# KiCad board artix-dc-scm.kicad_pcb (continued)
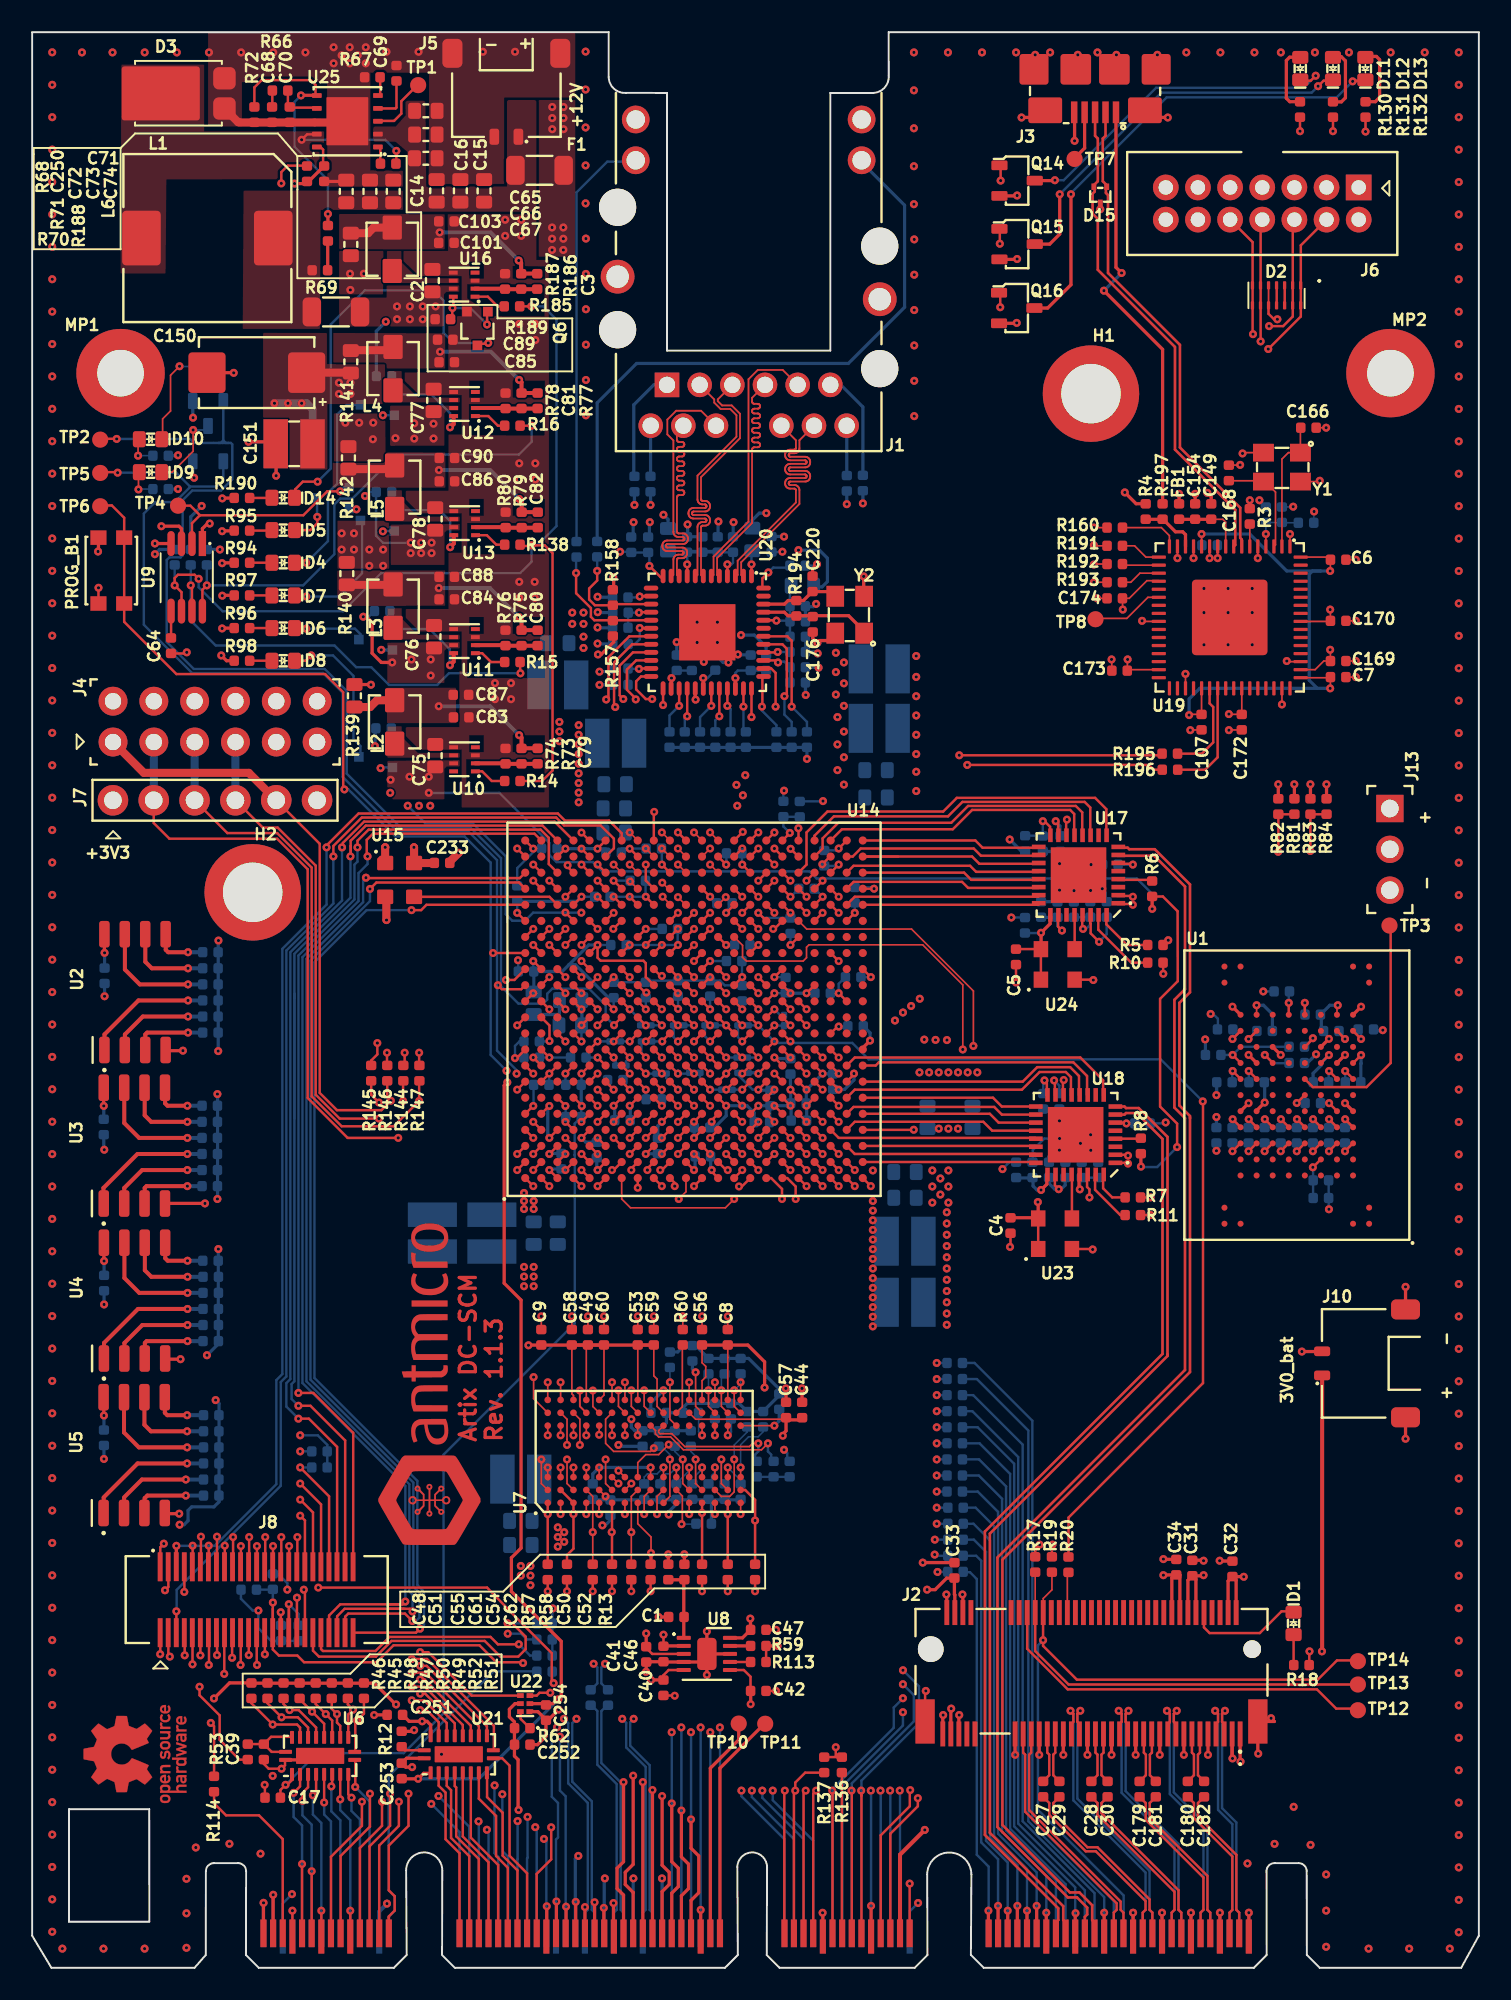
[diagram p0: board, top side]
## Routing (per net, layer and track width the routed paths; a pad name or vN(x,y) marks a point on that pad's centre or on a via; arc(x,y) is an arc through that point) (continued)
/Edge connector/DBP_PREQ_N: length 31.4
  Bottom w0.15: 57.88,30.62 58.89,30.62 60.34,29.18 60.34,8.44 63.09,5.69 63.09,1.96
/Edge connector/HPM_FW_RECOVERY: length 23.5
  Bottom w0.15: 59.51,1.96 59.51,6.3 58.76,7.04 58.76,24.19 58.34,24.61 57.96,24.61
/Edge connector/HPM_STBY_EN: length 26.2
  Bottom w0.15: 57.93,26.64 58.59,26.64 59.34,25.88 59.34,7.91 60.69,6.56 60.69,1.96
/Edge connector/HPM_STBY_RDY: length 24.9
  Bottom w0.15: 57.93,25.64 58.73,25.64 59.04,25.32 59.04,7.81 60.09,6.76 60.09,2.14
/Edge connector/HPM_STBY_RST_N: length 27.4
  Bottom w0.15: 57.93,27.62 58.56,27.62 59.59,26.6 59.59,8.1 61.29,6.4 61.29,1.96
/Edge connector/IRQ_N: length 40
  Bottom w0.15: 67.29,1.96 67.29,4.16 62.22,9.22 62.22,34.03 58.63,37.62 57.88,37.62
/Edge connector/PRSNT0_N: length 12
  Top w0.15: 11.32,10.95 11.32,10.24 12.07,9.49 14.12,9.49 15.59,8.01 15.59,1.96
/Edge connector/RoT_CPU_RST_N: length 36.2
  Bottom w0.15: 65.49,1.96 65.49,4.82 61.34,8.97 61.34,31.78 58.49,34.62 57.88,34.62
/Edge connector/RST_PLTRST_BUF_N: length 33.9
  Bottom w0.15: 57.88,32.62 58.94,32.62 60.84,30.73 60.84,8.65 64.29,5.2 64.29,1.96
/Edge connector/SPARE0: length 38.8
  Bottom w0.15: 57.88,36.62 58.77,36.62 61.97,33.42 61.97,9.12 66.69,4.4 66.69,1.96
/Edge connector/SPARE1: length 35.1
  Bottom w0.15: 64.89,1.96 64.89,5.01 61.09,8.81 61.09,31.36 58.82,33.62 57.88,33.62
/Edge connector/SYS_PWRBTN_N: length 28.8
  Bottom w0.15: 57.93,28.62 58.69,28.62 59.84,27.48 59.84,8.21 61.89,6.16 61.89,1.96
/Edge connector/SYS_PWROK: length 30.1
  Bottom w0.15: 57.88,29.62 58.83,29.62 60.09,28.37 60.09,8.34 62.49,5.94 62.49,1.96
/Edge connector/VIRTUAL_RESEAT: length 22.2
  Bottom w0.15: 31.37,18.44 28.7,18.44 22.18,11.92 22.18,4.83 22.54,4.47 22.54,3.55 22.19,3.19 22.19,3.08 22.19,1.96
/Ethernet/ETH1_N: length 17
  Top w0.11: 43.75,86.5 43.89,86.64 43.89,87.53 47.51,91.15 47.51,91.9 47.51,91.93 47.5,91.95 47.49,91.97 47.47,91.99 47.45,92 47.43,92.01 47.4,92.01 47.15,92.01 47.09,92.02 47.02,92.04 46.96,92.08 46.91,92.13 46.87,92.19 46.85,92.25 46.84,92.32 46.84,92.36 46.85,92.43 46.87,92.5 46.91,92.56 46.96,92.61 47.02,92.64 47.09,92.67 47.15,92.67 48.07,92.67 48.1,92.68 48.12,92.68 48.14,92.7 48.16,92.71 48.17,92.74 48.18,92.76 48.18,92.78 48.18,92.81 48.17,92.83 48.16,92.85 48.14,92.87 48.12,92.88 48.1,92.89 48.07,92.89 47.15,92.89 47.09,92.9 47.02,92.92 46.96,92.96 46.91,93.01 46.87,93.07 46.85,93.13 46.84,93.2 46.84,93.24 46.85,93.31 46.87,93.38 46.91,93.44 46.96,93.49 47.02,93.52 47.09,93.55 47.15,93.55 48.07,93.55 48.1,93.56 48.12,93.56 48.14,93.58 48.16,93.59 48.17,93.62 48.18,93.64 48.18,93.66 48.18,93.69 48.17,93.71 48.16,93.73 48.14,93.75 48.12,93.76 48.1,93.77 48.07,93.77 47.15,93.77 47.09,93.78 47.02,93.8 46.96,93.84 46.91,93.89 46.87,93.95 46.85,94.01 46.84,94.08 46.84,94.12 46.85,94.19 46.87,94.26 46.91,94.32 46.96,94.37 47.02,94.4 47.09,94.43 47.15,94.43 47.4,94.43 47.43,94.44 47.45,94.44 47.47,94.46 47.49,94.47 47.5,94.5 47.51,94.52 47.51,94.54 47.51,95.02 J1.10
/Ethernet/ETH1_P: length 17
  Top w0.11: J1.11 47.73,95.02 47.73,94.52 47.73,94.45 47.7,94.39 47.67,94.33 47.62,94.28 47.56,94.24 47.49,94.22 47.42,94.21 47.17,94.21 47.15,94.21 47.13,94.2 47.1,94.19 47.09,94.17 47.07,94.15 47.07,94.13 47.06,94.1 47.07,94.08 47.07,94.06 47.09,94.03 47.1,94.02 47.13,94 47.15,94 47.17,93.99 48.09,93.99 48.16,93.99 48.23,93.96 48.29,93.93 48.33,93.88 48.37,93.82 48.39,93.75 48.4,93.68 48.4,93.64 48.39,93.57 48.37,93.51 48.33,93.45 48.29,93.4 48.23,93.36 48.16,93.34 48.09,93.33 47.17,93.33 47.15,93.33 47.13,93.32 47.1,93.31 47.09,93.29 47.07,93.27 47.07,93.25 47.06,93.22 47.07,93.2 47.07,93.18 47.09,93.15 47.1,93.14 47.13,93.12 47.15,93.12 47.17,93.11 48.09,93.11 48.16,93.11 48.23,93.08 48.29,93.05 48.33,93 48.37,92.94 48.39,92.87 48.4,92.8 48.4,92.76 48.39,92.69 48.37,92.63 48.33,92.57 48.29,92.52 48.23,92.48 48.16,92.46 48.09,92.45 47.17,92.45 47.15,92.45 47.13,92.44 47.1,92.43 47.09,92.41 47.07,92.39 47.07,92.37 47.06,92.34 47.07,92.32 47.07,92.3 47.09,92.27 47.1,92.26 47.13,92.24 47.15,92.24 47.17,92.23 47.42,92.23 47.49,92.23 47.56,92.2 47.62,92.17 47.67,92.12 47.7,92.06 47.73,91.99 47.73,91.92 47.73,91.06 44.11,87.43 44.11,86.64 44.25,86.5
/Ethernet/ETH2_N: length 17
  Top w0.11: 42.25,86.5 42.39,86.64 42.39,87.79 44.57,89.96 44.57,98.82 45.14,99.4 46.69,99.4 J1.5
/Ethernet/ETH2_P: length 17
  Top w0.11: J1.4 44.79,97.66 44.79,97.44 44.79,97.4 44.8,97.37 44.82,97.34 44.84,97.32 44.87,97.3 44.9,97.29 44.93,97.29 45.13,97.29 45.17,97.28 45.2,97.27 45.23,97.25 45.25,97.23 45.27,97.2 45.28,97.17 45.28,97.14 45.28,97.1 45.27,97.07 45.25,97.04 45.23,97.02 45.2,97 45.17,96.99 45.13,96.99 44.93,96.99 44.9,96.98 44.87,96.97 44.84,96.95 44.82,96.93 44.8,96.9 44.79,96.87 44.79,96.84 44.79,96.8 44.8,96.77 44.82,96.74 44.84,96.72 44.87,96.7 44.9,96.69 44.93,96.69 45.13,96.69 45.17,96.68 45.2,96.67 45.23,96.65 45.25,96.63 45.27,96.6 45.28,96.57 45.28,96.54 45.28,96.5 45.27,96.47 45.25,96.44 45.23,96.42 45.2,96.4 45.17,96.39 45.13,96.39 44.93,96.39 44.9,96.38 44.87,96.37 44.84,96.35 44.82,96.33 44.8,96.3 44.79,96.27 44.79,96.24 44.79,96.2 44.8,96.17 44.82,96.14 44.84,96.12 44.87,96.1 44.9,96.09 44.93,96.09 45.13,96.09 45.17,96.08 45.2,96.07 45.23,96.05 45.25,96.03 45.27,96 45.28,95.97 45.28,95.94 45.28,95.9 45.27,95.87 45.25,95.84 45.23,95.82 45.2,95.8 45.17,95.79 45.13,95.79 44.93,95.79 44.9,95.78 44.87,95.77 44.84,95.75 44.82,95.73 44.8,95.7 44.79,95.67 44.79,95.64 44.79,95.6 44.8,95.57 44.82,95.54 44.84,95.52 44.87,95.5 44.9,95.49 44.93,95.49 45.13,95.49 45.17,95.48 45.2,95.47 45.23,95.45 45.25,95.43 45.27,95.4 45.28,95.37 45.28,95.34 45.28,95.3 45.27,95.27 45.25,95.24 45.23,95.22 45.2,95.2 45.17,95.19 45.13,95.19 44.93,95.19 44.9,95.18 44.87,95.17 44.84,95.15 44.82,95.13 44.8,95.1 44.79,95.07 44.79,95.04 44.79,95 44.8,94.97 44.82,94.94 44.84,94.92 44.87,94.9 44.9,94.89 44.93,94.89 45.13,94.89 45.17,94.88 45.2,94.87 45.23,94.85 45.25,94.83 45.27,94.8 45.28,94.77 45.28,94.74 45.28,94.7 45.27,94.67 45.25,94.64 45.23,94.62 45.2,94.6 45.17,94.59 45.13,94.59 44.93,94.59 44.9,94.58 44.87,94.57 44.84,94.55 44.82,94.53 44.8,94.5 44.79,94.47 44.79,94.44 44.79,89.87 42.61,87.69 42.61,86.64 42.75,86.5
/Ethernet/ETH3_N: length 17
  Top w0.11: 41.25,86.5 41.39,86.64 41.39,89.62 41.4,89.69 41.42,89.75 41.46,89.81 41.51,89.86 41.57,89.9 41.63,89.92 41.7,89.93 41.84,89.93 41.87,89.93 41.89,89.94 41.91,89.95 41.93,89.97 41.94,89.99 41.95,90.02 41.95,90.04 41.95,90.06 41.94,90.09 41.93,90.11 41.91,90.13 41.89,90.14 41.87,90.15 41.84,90.15 41.14,90.15 41.07,90.16 41.01,90.18 40.95,90.22 40.9,90.27 40.86,90.33 40.84,90.39 40.83,90.46 40.83,90.5 40.84,90.57 40.86,90.63 40.9,90.69 40.95,90.74 41.01,90.78 41.07,90.8 41.14,90.81 41.84,90.81 41.87,90.81 41.89,90.82 41.91,90.83 41.93,90.85 41.94,90.87 41.95,90.9 41.95,90.92 41.95,90.94 41.94,90.97 41.93,90.99 41.91,91.01 41.89,91.02 41.87,91.03 41.84,91.03 41.7,91.03 41.63,91.04 41.57,91.06 41.51,91.1 41.46,91.15 41.42,91.21 41.4,91.27 41.39,91.34 41.39,92.82 43.82,95.24 43.82,96.58 43.43,96.97 42.83,96.97 42.43,97.36 42.43,97.56 J1.2
/Ethernet/ETH3_P: length 17
  Top w0.11: 41.75,86.5 41.61,86.64 41.61,89.6 41.61,89.62 41.62,89.65 41.63,89.67 41.65,89.69 41.67,89.7 41.7,89.71 41.72,89.71 41.86,89.71 41.93,89.72 41.99,89.74 42.05,89.78 42.1,89.83 42.14,89.89 42.16,89.95 42.17,90.02 42.17,90.06 42.16,90.13 42.14,90.19 42.1,90.25 42.05,90.3 41.99,90.34 41.93,90.36 41.86,90.37 41.16,90.37 41.13,90.37 41.11,90.38 41.09,90.39 41.07,90.41 41.06,90.43 41.05,90.46 41.05,90.48 41.05,90.5 41.06,90.53 41.07,90.55 41.09,90.57 41.11,90.58 41.13,90.59 41.16,90.59 41.86,90.59 41.93,90.6 41.99,90.62 42.05,90.66 42.1,90.71 42.14,90.77 42.16,90.83 42.17,90.9 42.17,90.94 42.16,91.01 42.14,91.07 42.1,91.13 42.05,91.18 41.99,91.22 41.93,91.24 41.86,91.25 41.72,91.25 41.7,91.25 41.67,91.26 41.65,91.27 41.63,91.29 41.62,91.31 41.61,91.34 41.61,91.36 41.61,92.72 44.04,95.15 44.04,96.67 43.52,97.19 42.92,97.19 42.65,97.45 42.65,97.56 43.56,98.47
/Ethernet/ETH4_N: length 17
  Top w0.11: J1.9 41.61,96.86 40.06,96.86 39.51,96.31 39.51,95.39 39.89,95.01 39.89,89.32 39.9,89.25 39.92,89.18 39.96,89.12 40.01,89.07 40.07,89.04 40.13,89.01 40.2,89.01 40.47,89.01 40.49,89 40.52,88.99 40.54,88.98 40.55,88.96 40.57,88.94 40.58,88.92 40.58,88.9 40.58,88.87 40.57,88.85 40.55,88.83 40.54,88.81 40.52,88.8 40.49,88.79 40.47,88.79 39.51,88.79 39.44,88.78 39.38,88.75 39.32,88.72 39.27,88.67 39.23,88.61 39.21,88.54 39.2,88.47 39.2,88.44 39.21,88.37 39.23,88.3 39.27,88.24 39.32,88.19 39.38,88.16 39.44,88.13 39.51,88.13 40.42,88.13 40.44,88.12 40.47,88.11 40.49,88.1 40.5,88.08 40.52,88.06 40.53,88.04 40.53,88.02 40.53,87.99 40.52,87.97 40.5,87.95 40.49,87.93 40.47,87.92 40.44,87.91 40.42,87.91 40.2,87.91 40.13,87.9 40.07,87.87 40.01,87.84 39.96,87.79 39.92,87.73 39.9,87.66 39.89,87.59 39.89,86.64 39.75,86.5
/Ethernet/ETH4_P: length 17
  Top w0.11: J1.8 40.11,95.52 40.11,95.06 40.11,95.03 40.12,94.99 40.14,94.97 40.17,94.94 40.19,94.92 40.23,94.91 40.26,94.91 40.42,94.91 40.46,94.91 40.49,94.9 40.52,94.88 40.54,94.85 40.56,94.83 40.57,94.79 40.57,94.76 40.57,94.73 40.56,94.69 40.54,94.67 40.52,94.64 40.49,94.62 40.46,94.61 40.42,94.61 40.26,94.61 40.23,94.61 40.19,94.6 40.17,94.58 40.14,94.55 40.12,94.53 40.11,94.49 40.11,94.46 40.11,94.43 40.12,94.39 40.14,94.37 40.17,94.34 40.19,94.32 40.23,94.31 40.26,94.31 40.42,94.31 40.46,94.31 40.49,94.3 40.52,94.28 40.54,94.25 40.56,94.23 40.57,94.19 40.57,94.16 40.57,94.13 40.56,94.09 40.54,94.07 40.52,94.04 40.49,94.02 40.46,94.01 40.42,94.01 40.26,94.01 40.23,94.01 40.19,94 40.17,93.98 40.14,93.95 40.12,93.93 40.11,93.89 40.11,93.86 40.11,93.83 40.12,93.79 40.14,93.77 40.17,93.74 40.19,93.72 40.23,93.71 40.26,93.71 40.42,93.71 40.46,93.71 40.49,93.7 40.52,93.68 40.54,93.65 40.56,93.63 40.57,93.59 40.57,93.56 40.57,93.53 40.56,93.49 40.54,93.47 40.52,93.44 40.49,93.42 40.46,93.41 40.42,93.41 40.26,93.41 40.23,93.41 40.19,93.4 40.17,93.38 40.14,93.35 40.12,93.33 40.11,93.29 40.11,93.26 40.11,93.23 40.12,93.19 40.14,93.17 40.17,93.14 40.19,93.12 40.23,93.11 40.26,93.11 40.42,93.11 40.46,93.11 40.49,93.1 40.52,93.08 40.54,93.05 40.56,93.03 40.57,92.99 40.57,92.96 40.57,92.93 40.56,92.89 40.54,92.87 40.52,92.84 40.49,92.82 40.46,92.81 40.42,92.81 40.26,92.81 40.23,92.81 40.19,92.8 40.17,92.78 40.14,92.75 40.12,92.73 40.11,92.69 40.11,92.66 40.11,92.63 40.12,92.59 40.14,92.57 40.17,92.54 40.19,92.52 40.23,92.51 40.26,92.51 40.42,92.51 40.46,92.51 40.49,92.5 40.52,92.48 40.54,92.45 40.56,92.43 40.57,92.39 40.57,92.36 40.57,92.33 40.56,92.29 40.54,92.27 40.52,92.24 40.49,92.22 40.46,92.21 40.42,92.21 40.26,92.21 40.23,92.21 40.19,92.2 40.17,92.18 40.14,92.15 40.12,92.13 40.11,92.09 40.11,92.06 40.11,92.03 40.12,91.99 40.14,91.97 40.17,91.94 40.19,91.92 40.23,91.91 40.26,91.91 40.42,91.91 40.46,91.91 40.49,91.9 40.52,91.88 40.54,91.85 40.56,91.83 40.57,91.79 40.57,91.76 40.57,91.73 40.56,91.69 40.54,91.67 40.52,91.64 40.49,91.62 40.46,91.61 40.42,91.61 40.26,91.61 40.23,91.61 40.19,91.6 40.17,91.58 40.14,91.55 40.12,91.53 40.11,91.49 40.11,91.46 40.11,89.34 40.11,89.31 40.12,89.29 40.13,89.27 40.15,89.25 40.17,89.24 40.2,89.23 40.22,89.23 40.49,89.23 40.56,89.22 40.62,89.19 40.68,89.16 40.73,89.11 40.77,89.05 40.79,88.98 40.8,88.91 40.8,88.88 40.79,88.81 40.77,88.74 40.73,88.68 40.68,88.63 40.62,88.6 40.56,88.57 40.49,88.57 39.53,88.57 39.51,88.56 39.48,88.55 39.46,88.54 39.45,88.52 39.43,88.5 39.42,88.48 39.42,88.46 39.42,88.43 39.43,88.41 39.45,88.39 39.46,88.37 39.48,88.36 39.51,88.35 39.53,88.35 40.44,88.35 40.51,88.34 40.57,88.31 40.63,88.28 40.68,88.23 40.72,88.17 40.74,88.1 40.75,88.03 40.75,88 40.74,87.93 40.72,87.86 40.68,87.8 40.63,87.75 40.57,87.72 40.51,87.69 40.44,87.69 40.22,87.69 40.2,87.68 40.17,87.67 40.15,87.66 40.13,87.64 40.12,87.62 40.11,87.6 40.11,87.58 40.11,86.64 40.25,86.5
/Ethernet/ETH_LED1: length 8.1
  Top w0.15: 36.12,83.81 36.14,83.83 38.57,83.83 ; v2(33.84,86.76) 33.84,85.51 34.76,84.59 34.76,84.04 34.97,83.83 36.18,83.83
  Bottom w0.15: 33.84,87.76 v2(33.84,86.76)
/Ethernet/ETH_LED2: length 7
  Top w0.15: v2(35.15,86.9) 35.15,86.3 34.65,85.8 34.65,85.12 35.01,84.76 36.15,84.76 ; 38.57,84.83 36.2,84.83 36.12,84.76
  Bottom w0.15: v2(35.15,86.9) 35.15,87.76
/FPGA banks 13-16/GCLK100: length 9.1
  Top w0.15: U15.3 32.18,66.62 U14.C18
/FPGA banks 13-16/PUDC_B: length 2.9
  Top w0.15: v2(47.13,70.6) 47.13,70.59 46.68,70.13
  Bottom w0.15: 47.76,71.59 47.74,71.6 46.73,71.6 46.73,71 v2(47.13,70.6)
/FPGA banks 34-35 & CFG/MODE0: length 41.6
  Top w0.15: 46.68,59.13 v3(47.18,58.63) ; 78.53,71.76 77.53,71.76 77.53,69.43 v2(77.52,69.42)
  In2.Cu w0.15: v2(55.5,57.74) 52.92,57.74 51.53,59.13 47.68,59.13 v3(47.18,58.63)
  In5.Cu w0.15: v2(55.5,57.74) 56.93,59.17 70.06,59.17 77.52,66.63 v2(77.52,69.42)
/FPGA banks 34-35 & CFG/MODE1: length 42.3
  Top w0.15: v2(79.52,69.47) 79.52,71.75 79.53,71.76 80.53,71.76 ; 46.68,58.13 v3(47.18,57.63)
  In2.Cu w0.15: v2(56.2,57.72) 55.73,57.25 50.9,57.25 50.52,57.63 v3(47.18,57.63)
  In5.Cu w0.15: v2(79.52,69.47) 79.52,68.21 70.13,58.82 57.3,58.82 v2(56.2,57.72)
/FPGA banks 34-35 & CFG/MODE2: length 43.7
  Top w0.15: 46.68,57.13 v3(47.18,56.63)
  In2.Cu w0.15: v2(56.91,57.71) 56.12,56.93 50.77,56.93 50.38,57.32 47.87,57.32 v3(47.18,56.63)
  In5.Cu w0.15: v2(56.91,57.71) 57.67,58.47 70.22,58.47 81.37,69.62 84.42,69.62 84.47,69.58
/Interfaces/DBG_USB_D_N: length 30.2
  Top w0.16: 66.78,114.97 66.78,113.96 66.6,113.79 66.6,111.13 66.8,110.94 66.8,110.4 66.93,110.27 66.93,105.43 71.41,100.95 71.41,94.57 75.16,90.82 75.16,88.94 75.25,88.85 75.25,88.41
/Interfaces/DBG_USB_D_P: length 30.5
  Top w0.16: 66.12,114.97 66.12,113.96 66.29,113.79 66.29,111.13 66.1,110.94 66.1,110.49 65.97,110.36 65.97,109.11 66.29,108.79 66.29,105.62 71.09,100.82 71.09,94.44 74.84,90.69 74.84,88.51 74.75,88.41
/Interfaces/FT_VPHY: length 3.5
  Top w0.1: 76.75,88.41 v2(76.75,89.19)
  Bottom w0.1: 78.77,89.89 77.77,89.89 77.75,89.9 76.75,89.9 v2(76.75,89.19)
/Interfaces/FT_VPLL: length 6.1
  Top w0.1: 74.25,88.41 74.25,89.92 74.07,90.1 71.75,90.1
  Top w0.2: 71.35,90.1 73.35,90.1
/Interfaces/PCIE_BMC_TX_C_N: length 41.6
  Top w0.15: U14.A4 v4(31.18,51.63)
  In5.Cu w0.11: 35.67,18.92 35.67,19.37 35.52,19.52 35.53,20.52 34.44,21.61 32.49,21.61 28.84,25.27 28.84,51.15 29.63,51.95 30.85,51.95 v4(31.18,51.63)
  Bottom w0.15: v2(35.64,18.92) 35.41,18.69 35.41,17.7 35.79,17.32
/Interfaces/PCIE_BMC_TX_C_P: length 42.2
  Top w0.15: U14.B4 v4(31.18,52.63)
  In5.Cu w0.11: 34.96,18.92 34.96,19.3 35.21,19.55 35.21,20.39 34.31,21.29 32.32,21.29 28.51,25.09 28.51,51.29 29.51,52.29 30.84,52.29 v4(31.18,52.63)
  Bottom w0.15: v2(34.93,18.92) 35.16,18.69 35.16,17.7 34.79,17.32
/PCIe-connector/NVME_LED: length 7.2
  Top w0.15: 72.9,22.1 72.9,21.18 73.25,20.83 76.38,20.83 77.72,22.18 78.47,22.18
/PCIe-connector/PCIE_HPM_TX0_C_N: length 3.2
  Top w0.15: 63.9,11.6 63.52,11.98 63.52,13.26 63.65,13.39 J2.47
/PCIe-connector/PCIE_HPM_TX0_C_P: length 3.2
  Top w0.15: J2.49 63.15,13.39 63.27,13.26 63.27,11.98 62.9,11.6
/PCIe-connector/PCIE_HPM_TX1_C_N: length 3.2
  Top w0.15: J2.35 66.65,13.39 66.53,13.26 66.53,11.98 66.91,11.6
/PCIe-connector/PCIE_HPM_TX1_C_P: length 3.2
  Top w0.15: 65.9,11.6 66.28,11.98 66.28,13.26 66.15,13.39 J2.37
/PCIe-connector/PCIE_HPM_TX2_C_N: length 3.2
  Top w0.15: 69.66,14.55 69.66,13.39 69.53,13.26 69.53,11.98 69.91,11.6
/PCIe-connector/PCIE_HPM_TX2_C_P: length 3.2
  Top w0.15: 68.91,11.6 69.28,11.98 69.28,13.26 69.16,13.39 69.16,14.55
/PCIe-connector/PCIE_HPM_TX3_C_N: length 3.2
  Top w0.15: 72.65,14.55 72.65,13.39 72.53,13.26 72.53,11.98 72.91,11.6
/PCIe-connector/PCIE_HPM_TX3_C_P: length 3.2
  Top w0.15: 71.9,11.6 72.28,11.98 72.28,13.26 72.15,13.39 72.15,14.55
CHASI#_R: length 20.2
  Top w0.15: 49.68,51.12 v3(50.18,50.62)
  In2.Cu w0.15: v2(56.27,35.62) 54.07,35.62 50.6,39.1 50.6,50.2 v3(50.18,50.62)
  Bottom w0.15: 56.91,35.62 v2(56.27,35.62)
DBG_UART_RX: length 34
  Top w0.15: 43.68,67.13 v4(44.18,66.63) ; 70.29,75.53 70.19,75.43 v2(57.68,75.43)
  In5.Cu w0.15: v2(57.68,75.43) 57.68,69.43 56.27,68.03 47.37,68.03 46.48,67.13 44.68,67.13 v4(44.18,66.63)
DBG_UART_TX: length 32.5
  Top w0.15: 70.3,74.53 69.78,74.53 69.47,74.83 v2(58.18,74.83) ; 44.68,67.13 v4(45.18,66.63)
  In5.Cu w0.15: v2(58.18,74.83) 58.18,69.43 56.48,67.73 47.57,67.73 46.48,66.63 v4(45.18,66.63)
DBP_PRDY_N_R: length 23.5
  Top w0.15: 48.68,50.12 v3(49.18,49.62)
  In2.Cu w0.15: v3(49.18,49.62) 48.75,49.2 48.75,39.05 53.07,34.73 53.07,33.27 54.71,31.62 v2(56.27,31.62)
  Bottom w0.15: 56.91,31.62 v2(56.27,31.62)
DBP_PREQ_N_R: length 24.7
  Top w0.15: 47.68,50.12 v3(48.18,49.62)
  In2.Cu w0.15: v2(56.27,30.62) 54.57,30.62 52.77,32.43 52.77,34.53 48.43,38.87 48.43,49.37 v3(48.18,49.62)
  Bottom w0.15: 56.91,30.62 v2(56.27,30.62)
DDR3_A0: length 23.7
  Top w0.1: 41.68,30.53 v2(41.68,31.12)
  Top w0.15: 41.68,50.12 v3(41.18,50.62)
  In2.Cu w0.1: v3(41.18,50.62) 41.68,50.12 41.68,47.42 41.67,47.4 41.67,47.38 41.65,47.36 41.64,47.35 41.62,47.34 41.6,47.33 41.56,47.32 41.53,47.32 41.52,47.31 41.5,47.29 41.49,47.27 41.48,47.25 41.48,47.23 41.48,47.22 41.48,47.2 41.49,47.18 41.5,47.16 41.52,47.15 41.53,47.14 41.56,47.13 41.58,47.13 41.68,47.13 41.68,47.12 41.75,47.12 41.76,47.12 41.78,47.12 41.79,47.11 41.81,47.1 41.81,47.08 41.82,47.07 41.82,47.05 41.82,47 41.82,46.98 41.81,46.97 41.81,46.95 41.79,46.94 41.78,46.93 41.76,46.93 41.75,46.92 41.58,46.92 41.56,46.92 41.53,46.92 41.52,46.9 41.5,46.89 41.49,46.87 41.48,46.85 41.48,46.83 41.48,46.82 41.48,46.8 41.49,46.78 41.5,46.76 41.52,46.75 41.53,46.73 41.56,46.73 41.58,46.72 41.75,46.72 41.76,46.72 41.78,46.72 41.79,46.71 41.81,46.7 41.81,46.68 41.82,46.67 41.82,46.65 41.82,46.6 41.82,46.58 41.81,46.57 41.81,46.55 41.79,46.54 41.78,46.53 41.76,46.53 41.73,46.52 41.72,46.52 41.7,46.51 41.69,46.5 41.68,46.48 41.68,46.47 41.68,46.45 41.68,36.85 41.08,36.25 41.08,32.84 41.68,32.24 v2(41.68,31.12)
  Bottom w0.1: 41.27,30.11 41.27,30.62 41.68,31.03 v2(41.68,31.12)
DDR3_A1: length 23.6
  Top w0.1: U7.P7 v2(42.48,33.12)
  Top w0.15: 41.68,53.13 v4(41.18,52.63)
  In5.Cu w0.1: v2(42.48,33.12) 41.63,33.97 41.63,36.8 41.68,36.85 41.68,50.53 41.67,50.55 41.66,50.58 41.65,50.6 41.63,50.62 41.6,50.64 41.58,50.65 41.55,50.65 41.15,50.65 41.12,50.65 41.1,50.66 41.07,50.68 41.05,50.7 41.04,50.72 41.03,50.75 41.02,50.78 41.03,50.8 41.04,50.83 41.05,50.85 41.07,50.87 41.1,50.89 41.12,50.9 41.15,50.9 41.55,50.9 41.58,50.9 41.6,50.91 41.63,50.93 41.65,50.95 41.66,50.97 41.67,51 41.68,51.03 41.68,51.17 41.67,51.19 41.67,51.2 41.66,51.21 41.66,51.21 41.65,51.22 41.64,51.22 41.61,51.23 41.6,51.23 41.59,51.24 41.59,51.24 41.58,51.25 41.58,51.26 41.57,51.28 41.57,51.42 41.58,51.44 41.58,51.45 41.59,51.46 41.59,51.46 41.6,51.47 41.61,51.47 41.64,51.48 41.65,51.48 41.66,51.49 41.66,51.49 41.67,51.5 41.67,51.51 41.68,51.53 41.68,52.12 v4(41.18,52.63)
  Bottom w0.15: 42.48,34.14 v2(42.48,33.12)
DDR3_A2: length 23.6
  Top w0.1: U7.P3 v2(42.48,31.12)
  Top w0.15: 41.68,51.12 v3(42.18,50.62)
  In2.Cu w0.1: v2(42.48,31.12) 42.48,31.73 41.28,32.92 41.28,36.13 42.07,36.92 42.07,47.58 42.07,47.6 42.07,47.61 42.06,47.62 42.05,47.63 42.04,47.64 42.02,47.65 41.99,47.65 41.97,47.66 41.96,47.67 41.95,47.68 41.94,47.69 41.94,47.7 41.94,47.72 41.94,47.78 41.94,47.8 41.94,47.81 41.95,47.82 41.96,47.83 41.97,47.84 41.99,47.85 42.01,47.85 42.17,47.85 42.19,47.85 42.21,47.86 42.23,47.87 42.24,47.89 42.26,47.9 42.26,47.92 42.26,47.94 42.26,47.96 42.26,47.98 42.26,48 42.24,48.01 42.23,48.03 42.21,48.04 42.19,48.05 42.17,48.05 42.07,48.05 42.07,48.06 42.01,48.06 41.99,48.06 41.97,48.06 41.96,48.07 41.95,48.08 41.94,48.09 41.94,48.11 41.94,48.12 41.94,48.19 41.94,48.2 41.94,48.22 41.95,48.23 41.96,48.24 41.97,48.25 41.99,48.25 42.02,48.26 42.04,48.26 42.05,48.27 42.06,48.28 42.07,48.29 42.07,48.31 42.07,48.33 42.07,48.93 41.88,49.12 41.88,50.33 v3(42.18,50.62)
  Bottom w0.1: v2(42.48,31.12) 42.48,30.83 42.27,30.62 42.27,30.11
DDR3_A3: length 24.9
  Top w0.1: 41.68,29.73 41.27,30.12 v2(41.27,31.62)
  Top w0.15: 41.68,49.12 v3(41.18,48.62)
  In2.Cu w0.1: v3(41.18,48.62) 41.18,48.27 41.27,48.17 41.27,40.53 41.27,40.5 41.27,40.48 41.25,40.46 41.24,40.45 41.22,40.43 41.2,40.43 41.18,40.43 41.04,40.43 41.02,40.42 41,40.42 40.98,40.4 40.96,40.39 40.95,40.37 40.94,40.35 40.94,40.33 40.94,40.3 40.95,40.28 40.96,40.26 40.98,40.25 41,40.23 41.02,40.23 41.04,40.23 41.37,40.23 41.39,40.22 41.41,40.22 41.42,40.21 41.44,40.19 41.45,40.17 41.46,40.15 41.46,40.13 41.46,40.12 41.46,40.1 41.45,40.08 41.44,40.06 41.42,40.04 41.41,40.03 41.39,40.03 41.37,40.03 41.04,40.03 41.02,40.02 41,40.02 40.98,40 40.96,39.99 40.95,39.97 40.94,39.95 40.94,39.93 40.94,39.9 40.95,39.88 40.96,39.86 40.98,39.85 41,39.83 41.02,39.83 41.04,39.83 41.37,39.83 41.39,39.82 41.41,39.82 41.42,39.81 41.44,39.79 41.45,39.77 41.46,39.75 41.46,39.73 41.46,39.72 41.46,39.7 41.45,39.68 41.44,39.66 41.42,39.64 41.41,39.63 41.39,39.63 41.37,39.62 41.04,39.62 41.02,39.62 41,39.62 40.98,39.6 40.96,39.59 40.95,39.57 40.94,39.55 40.94,39.53 40.94,39.5 40.95,39.48 40.96,39.46 40.98,39.45 41,39.43 41.02,39.43 41.04,39.43 41.37,39.43 41.39,39.42 41.41,39.42 41.42,39.41 41.44,39.39 41.45,39.37 41.46,39.35 41.46,39.33 41.46,39.32 41.46,39.3 41.45,39.28 41.44,39.26 41.42,39.24 41.41,39.23 41.39,39.23 41.37,39.23 41.04,39.23 41.02,39.22 41,39.22 40.98,39.2 40.96,39.19 40.95,39.17 40.94,39.15 40.94,39.12 40.94,39.1 40.95,39.08 40.96,39.06 40.98,39.05 41,39.03 41.02,39.03 41.04,39.03 41.37,39.03 41.39,39.02 41.41,39.02 41.42,39.01 41.44,38.99 41.45,38.97 41.46,38.95 41.46,38.93 41.46,38.92 41.46,38.9 41.45,38.88 41.44,38.86 41.42,38.84 41.41,38.83 41.39,38.83 41.37,38.83 41.04,38.83 41.02,38.82 41,38.82 40.98,38.8 40.96,38.79 40.95,38.77 40.94,38.75 40.94,38.73 40.94,38.7 40.95,38.68 40.96,38.66 40.98,38.65 41,38.63 41.02,38.63 41.04,38.62 41.18,38.62 41.2,38.62 41.22,38.62 41.24,38.6 41.25,38.59 41.27,38.57 41.27,38.55 41.27,38.53 41.27,37.73 40.88,37.33 40.88,32.22 41.27,31.83 41.27,31.73
  Bottom w0.1: v2(41.27,31.62) 41.27,31.83 40.98,32.12 40.98,32.44
DDR3_A4: length 24.6
  Top w0.1: v2(42.07,35.93) 42.07,34.93 U7.P8
  Top w0.15: U14.L6 v4(41.18,53.63)
  In5.Cu w0.1: v4(41.18,53.63) 41.18,53.27 41.88,52.57 41.88,48.82 42.07,48.62 42.07,48.53 42.07,48.51 42.07,48.5 42.06,48.49 42.05,48.48 42.04,48.47 42.03,48.47 42.01,48.47 41.99,48.46 41.98,48.46 41.97,48.45 41.97,48.44 41.96,48.42 41.96,48.41 41.96,48.33 41.96,48.31 41.97,48.3 41.97,48.29 41.98,48.28 41.99,48.27 42.01,48.27 42.02,48.27 42.07,48.27 42.07,48.25 42.34,48.25 42.36,48.25 42.38,48.24 42.4,48.23 42.42,48.21 42.43,48.19 42.44,48.17 42.44,48.15 42.44,48.13 42.43,48.11 42.42,48.09 42.4,48.07 42.38,48.06 42.36,48.05 42.34,48.05 42.02,48.05 42.01,48.05 41.99,48.04 41.98,48.04 41.97,48.03 41.97,48.02 41.96,48.01 41.96,47.99 41.96,47.91 41.96,47.89 41.97,47.88 41.97,47.87 41.98,47.86 41.99,47.86 42.01,47.85 42.02,47.85 42.34,47.85 42.36,47.85 42.38,47.84 42.4,47.83 42.42,47.81 42.43,47.79 42.44,47.77 42.44,47.75 42.44,47.73 42.43,47.71 42.42,47.69 42.4,47.67 42.38,47.66 42.36,47.65 42.34,47.65 42.02,47.65 42.01,47.65 41.99,47.64 41.98,47.64 41.97,47.63 41.97,47.62 41.96,47.61 41.96,47.59 41.96,47.51 41.96,47.49 41.97,47.48 41.97,47.47 41.98,47.46 41.99,47.46 42.01,47.45 42.02,47.45 42.34,47.45 42.36,47.45 42.38,47.44 42.4,47.43 42.42,47.41 42.43,47.39 42.44,47.37 42.44,47.35 42.44,47.33 42.43,47.31 42.42,47.29 42.4,47.27 42.38,47.26 42.36,47.25 42.34,47.25 42.02,47.25 42.01,47.25 41.99,47.24 41.98,47.24 41.97,47.23 41.97,47.22 41.96,47.21 41.96,47.19 41.96,47.11 41.96,47.09 41.97,47.08 41.97,47.07 41.98,47.06 41.99,47.06 42.01,47.05 42.02,47.05 42.34,47.05 42.36,47.05 42.38,47.04 42.4,47.03 42.42,47.01 42.43,46.99 42.44,46.97 42.44,46.95 42.44,46.93 42.43,46.91 42.42,46.89 42.4,46.87 42.38,46.86 42.36,46.85 42.34,46.85 42.18,46.85 42.15,46.85 42.13,46.84 42.11,46.83 42.1,46.81 42.08,46.79 42.08,46.77 42.07,46.75 v2(42.07,35.93)
  Bottom w0.1: v2(42.07,35.93) 42.07,36.94
DDR3_A5: length 27.8
  Top w0.1: U7.P2 42.87,29.33 43.39,29.33 43.68,29.61 v2(43.68,31.62)
  Top w0.15: 43.68,49.12 v3(44.18,49.62)
  In2.Cu w0.1: v2(43.68,31.62) 44.37,32.33 44.37,38.53 44.18,38.73 44.18,43.63 44.17,43.65 44.17,43.67 44.15,43.69 44.14,43.7 44.12,43.72 44.1,43.72 44.06,43.73 44.03,43.73 44.02,43.75 44,43.76 43.99,43.78 43.98,43.8 43.98,43.83 43.98,43.85 43.99,43.87 44,43.89 44.02,43.9 44.03,43.92 44.06,43.92 44.08,43.93 44.37,43.93 44.39,43.93 44.41,43.93 44.43,43.95 44.45,43.96 44.46,43.98 44.47,44 44.47,44.03 44.47,44.05 44.46,44.07 44.45,44.09 44.43,44.1 44.41,44.12 44.39,44.12 44.37,44.12 44.08,44.12 44.06,44.13 44.03,44.13 44.02,44.15 44,44.16 43.99,44.18 43.98,44.2 43.98,44.23 43.98,44.25 43.99,44.27 44,44.29 44.02,44.3 44.03,44.32 44.06,44.32 44.08,44.33 44.37,44.33 44.39,44.33 44.41,44.33 44.43,44.35 44.45,44.36 44.46,44.38 44.47,44.4 44.47,44.43 44.47,44.45 44.46,44.47 44.45,44.49 44.43,44.5 44.41,44.52 44.39,44.52 44.37,44.53 44.08,44.53 44.06,44.53 44.03,44.53 44.02,44.55 44,44.56 43.99,44.58 43.98,44.6 43.98,44.63 43.98,44.65 43.99,44.67 44,44.69 44.02,44.7 44.03,44.72 44.06,44.72 44.08,44.73 44.37,44.73 44.39,44.73 44.41,44.73 44.43,44.75 44.45,44.76 44.46,44.78 44.47,44.8 44.47,44.83 44.47,44.85 44.46,44.87 44.45,44.89 44.43,44.9 44.41,44.92 44.39,44.92 44.37,44.93 44.18,44.93 44.18,44.93 44.08,44.93 44.06,44.93 44.03,44.94 44.02,44.95 44,44.96 43.99,44.98 43.98,45 43.98,45.03 43.98,45.05 43.99,45.07 44,45.09 44.02,45.11 44.03,45.12 44.06,45.12 44.1,45.13 44.12,45.14 44.14,45.15 44.15,45.16 44.17,45.18 44.17,45.2 44.18,45.23 44.18,45.53 44.37,45.73 44.37,49.03 44.18,49.23 v3(44.18,49.62)
  Bottom w0.1: 44.48,33.33 43.68,32.53 v2(43.68,31.62) ; 44.48,33.33 44.48,33.64 ; 44.48,33.33 44.48,33.34